# Altium PCB STM32F427IIH6.PcbDoc (part 1 of 3) (continued)
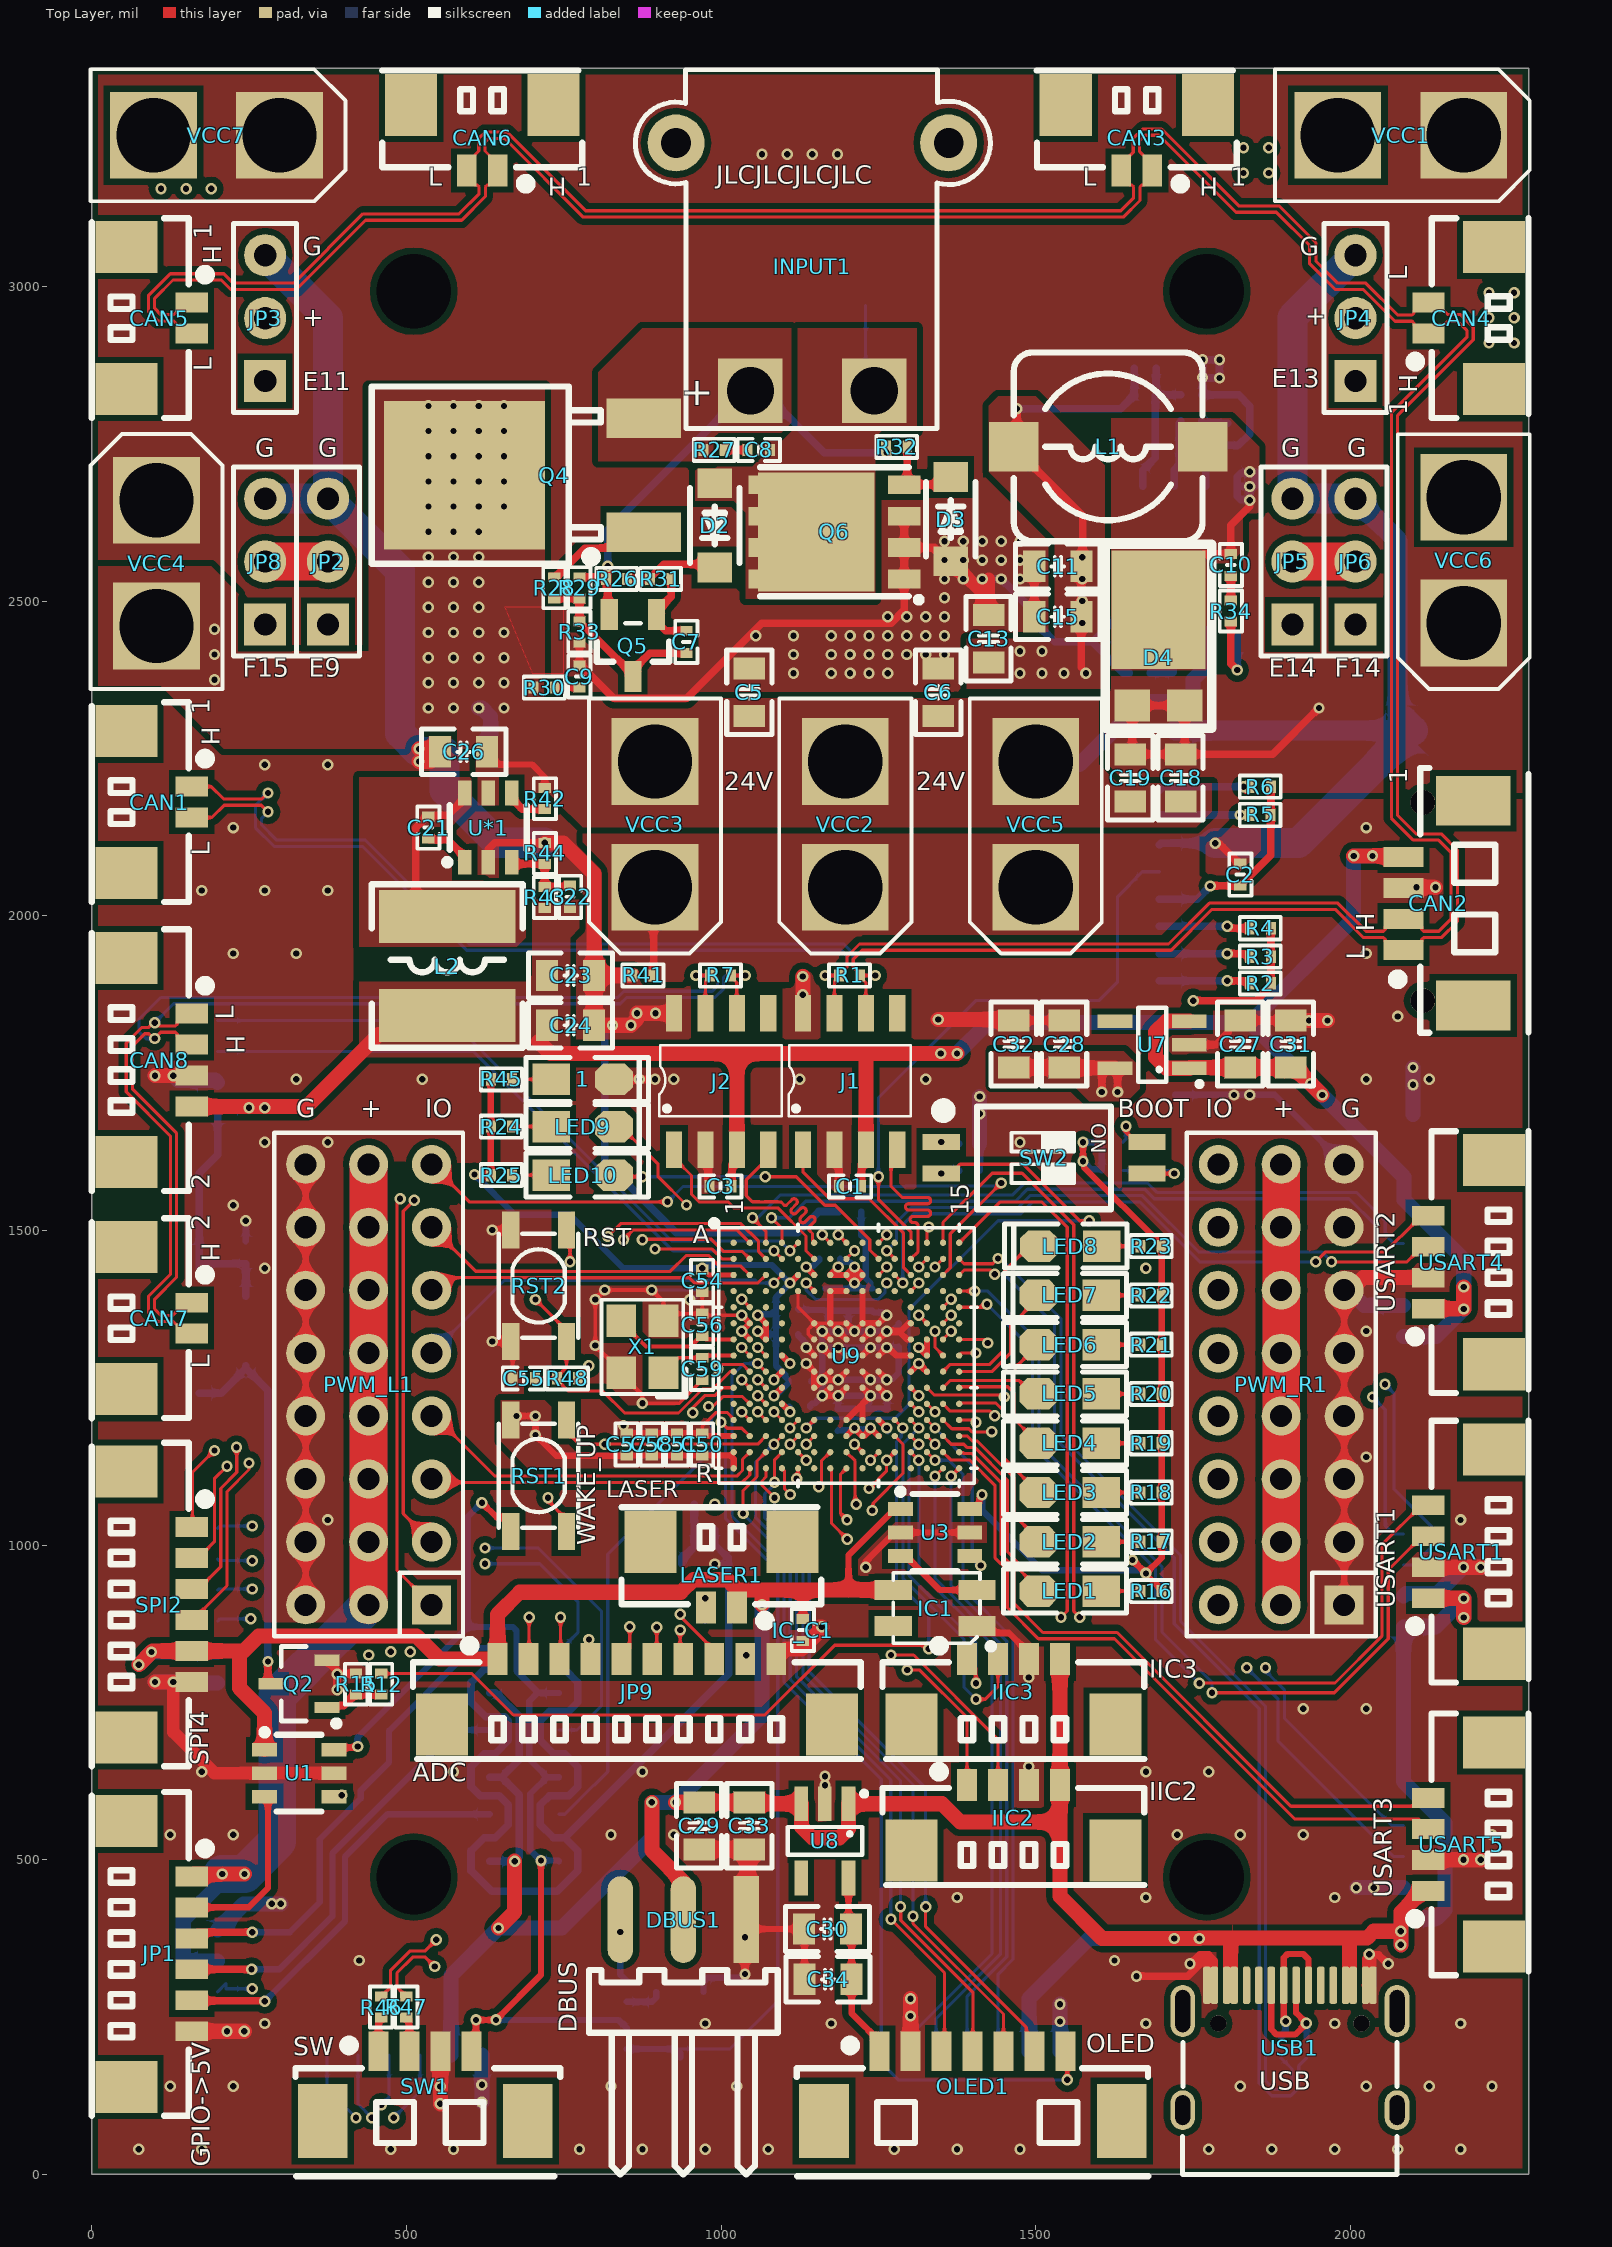
[diagram p0: Top Layer view]
## Footprints (in the part's own frame and the unit in brackets; to place one, negate y for a bottom-side part, rotate by r counter-clockwise, add the part's x,y. Pads: shape width x height; smd on the part's side, far side on the other; paste and mask are expansions set on the pad) (continued)
  silkscreen extent -6.48,-2.23 6.45,3.25, body extent -6.32,-2.1 6.32,3.09, height 3.4
"MX 1.25-WS-7P" [mm] "长：13.9mm，宽：4.2mm，高：3.4mm"
  rect 2x3 smd: 0(-6.007,0) 0(6.007,0)
  rect 0.8x1.6 smd: 1(-3.764,2.811) 2(-2.514,2.811) 3(-1.264,2.811) 4(-0.014,2.811) 5(1.236,2.811) 6(2.486,2.811) 7(3.736,2.811)
  silkscreen extent -7.11,-2.23 7.08,3.25, body extent -6.95,-2.1 6.95,3.09, height 3.4
"OSC 3225-4P" [mm] "3.2*2.5*0.7mm(长宽高)                         淘宝ID:黄晶宝石"
  rect 1.3x1.2 smd: 1(-1.05,-0.85) 2(1.05,-0.85) 3(1.05,0.85) 4(-1.05,0.85)
  silkscreen extent -2.03,-1.75 1.91,1.65, body extent -1.6,-1.25 1.6,1.25, height 0.7
PG-TDSON-8_L5.0-W6.0-P1.27-LS6.2-BL-EP [mil]
  rect 29.5x51.2 smd: 1(-75,-111) 2(-25,-111) 3(25,-111) 4(75,-111) 5(75,111) 6(25,111) 7(-25,111) 8(-75,111)
  rect 189x185 smd: 8(0,29)
  silkscreen extent -112,-138 102,118, body extent -105,-121 106,121, height 39
PG-TO252-3 [mil]
  rect 118.1x63 smd: 1(142.4,-90.53)
  rect 255.9x236.2 smd: 2(-142.4,0.03)
  rect 118.2x63 smd: 3(142.15,90.52)
  silkscreen extent -290,-141 74,141, body extent -241,-129 141,130, height 91
"PIN-3*8-2.54 - duplicate" [mil] "PIn Header"
  rect 62x62 hole 35: 1(0,0)
  round 62 hole 35: 2(0,100) 3(0,200) 4(100,0) 5(100,100) 6(100,200) 7(200,0) 8(200,100) 9(200,200) 10(300,0) 11(300,100) 12(300,200) 13(400,0) 14(400,100) 15(400,200) 16(500,0) 17(500,100) 18(500,200) 19(600,0) 20(600,100) 21(600,200) 22(700,0) 23(700,100) 24(700,200)
  silkscreen extent -50,-50 750,250, body extent -50,-50 750,250, height 335
"R 0402_L" [mm] "1/16W贴片电阻     淘宝ID:黄晶宝石"
  rect 0.4x0.5 smd: 1(-0.4,0) 2(0.45,0)
  silkscreen extent -0.8,-0.45 0.85,0.45, body extent -0.5,-0.25 0.5,0.25, height 0.3
SMA(DO-214AC) [mm]
  rect 2x1.8 smd: 1(-2,0) 2(2,0)
  silkscreen extent -2.3,-1.4 2.3,1.4, body extent -2.53,-1.27 2.56,1.33, height 2.15
SMD-3.2*4.2 [mm]
  rect 1.5x0.7 smd: 1(-2.25,1.125) 1(2.25,1.125) 2(-2.25,-1.125) 2(2.25,-1.125)
  silkscreen extent -2.1,-1.6 2.1,1.6, body extent -2.73,-1.6 2.47,1.58, height 1.8
SOD-123_L2.8-W1.8-LS3.7-RD [mm]
  rect 1.2x1.4 smd: 1(-1.7,0) 2(1.7,0)
  silkscreen extent -1.5,-1 1.5,1, body extent -1.92,-0.8 1.78,0.8, height 1.22
SOD-323 [mm] "1.8x1.3X0.9mm（长宽高，不包括引脚）"
  rect 1x0.8 smd: 1(-1.4,0)
  oct 1x0.8 smd: 2(1.4,0)
  silkscreen extent -2.11,-0.76 2.11,0.76, body extent -1.34,-0.63 1.31,0.67, height 1
SOIC-8_150mil [mm]
  rect 1.473x0.65 smd: 1(0,0) 2(0,-1.27) 3(0,-2.54) 4(0,-3.81) 5(5.5,-3.81) 6(5.5,-2.54) 7(5.5,-1.27) 8(5.5,0)
  silkscreen extent 1.35,-4.34 4.2,0.58, body extent -0.3,-4.34 5.7,0.56, height 1.7
SOT23-3L [mm] "3x1.3x1mm(长宽高)    封装库来自淘宝卖家 ID：黄晶宝石"
  rect 0.45x1 smd: 1(-0.95,-1.143) 2(0.95,-1.143) 3(0,1.125)
  silkscreen extent -1.72,-1.65 1.5,0.7, body extent -1.5,-1.2 1.5,1.2, height 1.05
SOT23-5M [mm] "3x1.6x1.1mm(长宽高) 封装库来自淘宝卖家 ID：黄晶宝石"
  rect 0.55x1.4 smd: 1(-0.95,-1.5) 2(0,-1.5) 3(0.95,-1.5) 4(0.95,1.5) 5(-0.95,1.5)
  silkscreen extent -1.66,-1.98 1.5,0.56, body extent -1.5,-1.4 1.5,1.4, height 1.15
SOT-23-3 [mil]
  rect 23.62x55 smd: 1(-38,-50) 2(37,-50) 3(0,54)
  silkscreen extent -59,0 59,33, body extent -57,-55 57,55, height 47
SOT-23-3_L2.9-W1.3-P1.90-LS2.4-BR [mm]
  rect 1.25x0.7 smd: 1(1.25,-0.95) 2(1.25,0.95) 3(-1.25,0)
  silkscreen extent -0.65,-1.46 0.9,1.46, body extent -0.97,-1.5 1.43,1.5, height 1.05
SOT-23-6_L2.9-W1.6-P0.95-LS2.8-BL [mm]
  rect 0.55x1 smd: 1(-0.95,-1.4) 2(0,-1.4) 3(0.95,-1.4) 4(0.95,1.4) 5(0,1.4) 6(-0.95,1.4)
  silkscreen extent -1.78,-1.52 1.55,0.9, body extent -1.46,-1.17 1.46,1.17, height 1
TO-277B_3P-L6.1-W4.3-LS7.0-BR [mil]
  rect 50.8x56 smd: 1(76.1,-41.6) 2(76.1,41.6)
  rect 188.98x149.61 smd: 3(-76.1,0)
  silkscreen extent -180,-85 112,85, body extent -169,-94 93,94, height 47
TPS54540 [mm]
  oval 1.8x0.6 smd: 1(0,0) 2(0,-1.27) 3(0,-2.54) 4(0,-3.81) 5(5.944,-3.81) 6(5.944,-2.54) 7(5.944,-1.27) 8(5.944,0)
  rect 3x4 smd: 9(2.972,-1.905)
  silkscreen extent 0.41,-4.29 4.8,0.94, body extent 0,-4.44 6.01,0.56, height 1.9
Type-C-TOP [mm]
  round 0.65 hole 0.65: 0(-0.98,2.89) 0(-0.98,-2.89)
  oval 1.6x1 hole 0.6 slot 1.2 at 0 deg: 1(2.52,4.325) 2(2.52,-4.325)
  oval 2.1x1 hole 0.6 slot 1.7 at 0 deg: 3(-1.48,-4.325) 4(-1.48,4.325)
  rrect50% 1.5x0.3 smd: A1(-2.52,-3.35) A4(-2.52,-2.55) A5(-2.52,-1.25) A6(-2.52,-0.25) A7(-2.52,0.25) A8(-2.52,1.25) A9(-2.52,2.55) A12(-2.52,3.35) B1(-2.52,3.05) B4(-2.52,2.25) B5(-2.52,1.75) B6(-2.52,0.75) B7(-2.52,-0.75) B8(-2.52,-1.75) B9(-2.52,-2.25) B12(-2.52,-3.05)
  silkscreen extent -0.22,-4.33 5.12,4.33, body extent -2.64,-4.48 5.26,4.46, height 3.28
XT30PW-M [mm]
  round 2.3 hole 1.2: 0(-5.5,-5) 0(5.5,-5)
  rect 2.6x2.6 hole 1.9: 1(-2.5,5) 2(2.5,5)
  silkscreen extent -7.18,-7.95 7.14,6.52, body extent -6.67,-7.95 6.63,6, height 5
XT30UPB-F [mm]
  rect 3.5x3.5 hole 3: 1(-2.54,0) 2(2.54,0)
  silkscreen extent -5.21,-2.67 5.08,2.67, body extent -5.04,-2.6 5.16,2.6, height 9.4

## Part data
1 LED1 LED2 LED3 LED4 LED5 LED6 LED7 LED8 LED9 LED10: library part LED-SMD, "贴片LED"
C1 C2 C3 C4 C5 C6 C7 C8 C9 C10 C11 C12 C13 C14 C15 C16 C17 C18 C19 C20 C21 C22 C23 C24 C25 C26 C27 C28 C29 C30 C31 C32 C33 C34 C35 C36 C37 C38 C39 C40 C41 C42 C43 C44 C45 C46 C47 C48 C49 C50 C51 C52 C53 C54 C55 C56 C57 C58 C59 IC_C1: library part C, "贴片电容"
CAN1 CAN3 CAN4 CAN5 CAN6 CAN7 LASER1: library part "Header 2", "2P接插件"
CAN2 CAN8 IIC1 IIC2 IIC3 USART1 USART2 USART3 USART4 USART5 USART6: library part "Header 4", "4P接插件"
D1: "开关二极管"
D2: library part BZD27C30P
D4: "TO-277B系列,SVM860VB-8A"
DBUS1 JP2 JP3 JP4 JP5 JP6 JP7 JP8: library part "Header 3", "3P接插件"
J1 J2: "CAN芯片"
JP1 SPI1 SPI2 SPI3 SPI4: library part "Header 6", "6P接插件"
JP9: library part "Header 10", "10P接插件"
L1: library part L-CDRH, "功率屏蔽电感"
L2: library part L-SMD, "CD系列贴片线绕功率电感"
LS1: "蜂鸣器"
OLED1: library part "Header 7", "7P接插件"
PWM_L1 PWM_R1: "Connector"
Q1 Q2: library part 8050-SMD, "高频放大-NPN型"
Q3: "NPN Bipolar Transistor"
Q4: library part IPD90P04P4
Q6: library part BSC037N08NS5ATMA1
R1 R2 R3 R4 R5 R6 R7 R8 R9 R10 R11 R12 R13 R14 R15 R16 R17 R18 R19 R20 R21 R22 R23 R24 R25 R26 R27 R28 R29 R30 R31 R32 R33 R34 R35 R36 R37 R38 R39 R40 R41 R42 R43 R44 R45 R46 R47 R48 R49 R50 R51 R52 R53 R54: library part R, "贴片电阻"
RST1: library part KEY_M
SW1: library part HDR1x4, "Connector"
SW2: "2路编码开关"
TF_Card1: "TF卡座"
U1 U2 U3 U4 U5: BOM_Manufacturer=TI, BOM_Assembly Type=smtWeld, BOM_Manufacturer Part=SN74LVC1T45DBVR, BOM_Paste Type=recommend, BOM_Supplier=LCSC, BOM_Supplier Part=C7843, image=//image.lceda.cn/szlcsc/C7843.jpg, spicePre=U, spiceSymbolName=SN74LVC1T45DBVR
U6: BOM_LCSC Assembly=Yes, BOM_Manufacturer=TI, BOM_Manufacturer Part=TPS54540DDAR, BOM_Supplier=LCSC, BOM_Supplier Part=C95286, SMT Type=Extend, spicePre=U
U9: library part STM32F427IIH6_MX, "No Description Available", Built_By=EMA_UL_Team, Copyright="Copyright (C) 2018 Accelerated Designs. All rights reserved", Manufacturer_Part_Number=STM32F427IIH6, RefDes=RefDes, SourceLibrary=Updates_to_database_2020-10-19, Type=DEV, Vendor=STMicroelectronics
U*1: "BUCK、MAX40V"
X1: library part XTAL-4P, "4脚无源晶振"

## Free pads (board coordinates)
  round 0 hole 118.11: ""(511.81,472.44) ""(511.81,2992.13) ""(1771.65,472.44) ""(1771.65,2992.13)

## Via types
v1: diameter 18, hole 10, Top Layer to Bottom Layer, tented both sides, 536 vias

## Nets (pads, with @x,y where several pads share a name; then routed paths per layer and width w, separated by ;. In a path a pad name is that pad's centre, name@x,y a point inside that pad or via, vN(x,y) a via of type N, cw(c..) or ccw(c..) an arc to the next point about the centre after c; other vN are vias at no path point)
ADC1_IN8/PB0: JP9.2 U9.R5 | length 656.9
  Top Layer w5: JP9.2@693.94,819 695,820.06 v1(695,885.31) ; v1(1120,1105.31) 1122.36,1107.68 U9.R5@1122.36,1122.05
  PWR w5: v1(695,885.31) 695,939.46 890.54,1135 1090.31,1135 v1(1120,1105.31)
ADC1_IN9/PB1: JP9.3 U9.R4 | length 651.7
  Top Layer w5: JP9.3@743.15,819 745,820.85 v1(745,885.31) ; U9.R4@1096.77,1122.05 1100.5,1118.32 1100.5,1089.81 v1(1110,1080.31)
  PWR w5: v1(745,885.31) 745,975.31 885.19,1115.5 1091.42,1115.5 1100.5,1106.42 1100.5,1089.81 v1(1110,1080.31)
ADC1_IN10/PC0: JP9.4 U9.M2 | length 514.4
  Top Layer w5: v1(790,850) 790,826.64 795,821.64 JP9.4@792.36,819 ; v1(1032.79,1211.61) U9.M2@1045.59,1198.82
  GND w5: v1(790,850) 875,935 875,1045.31 1032.79,1203.11 v1(1032.79,1211.61)
ADC1_IN11/PC1: JP9.5 U9.M3 | length 503.5
  Top Layer w5: JP9.5@841.57,819 840,820.57 855,835.57 v1(855,870.31) ; v1(1058.39,1211.61) U9.M3@1071.18,1198.82
  GND w5: v1(855,870.31) 885,900.31 885,1041.17 1055.44,1211.61 v1(1058.39,1211.61)
ADC1_IN12/PC2: JP9.6 U9.M4 | length 506.2
  Top Layer w5: JP9.6@890.79,819 885,824.79 897.74,837.53 v1(897.74,869.65) ; v1(1083.98,1211.61) U9.M4@1096.77,1198.82
  GND w5: v1(897.74,869.65) 895,872.39 895,1037.03 1053.99,1196.02 1068.38,1196.02 v1(1083.98,1211.61)
ADC1_IN13/PC3: JP9.7 U9.M5 | length 515.3
  Top Layer w5: v1(935,865) 935,826 934,825 JP9.7@940,819 ; v1(1109.57,1186.02) U9.M5@1122.36,1198.82
  GND w5: v1(935,865) 905,895 905,1032.89 1058.13,1186.02 v1(1109.57,1186.02)
ADC1_IN14/PC4: JP9.8 U9.N5 | length 518.3
  Top Layer w5: v1(935,890) 935,886.92 989.21,832.71 JP9.8@989.21,819 ; v1(1109.57,1160.43) U9.N5@1122.36,1173.23
  GND w5: v1(935,890) 915,910 915,1025 1065.93,1175.93 1090.4,1175.93 1105.9,1160.43 v1(1109.57,1160.43)
ADC1_IN15/PC5: JP9.9 U9.P5 | length 384.4
  Top Layer w5: JP9.9@1038.43,819 1032.43,825 v1(1040,825) ; U9.P5@1122.36,1147.64 v1(1135.16,1134.84)
  GND w5: v1(1040,825) 1040,970 1135.5,1065.5 1135.5,1135.18 v1(1135.16,1134.84)
ADC3_IN14/PF4: OLED1.7 U9.J3 | length 1610.6
  Top Layer w5: v1(1058.39,1288.39) U9.J3@1071.18,1275.59 ; OLED1.7@1547.09,195.65 1550,192.75 v1(1550,150.31)
  Bottom Layer w5: v1(1058.39,1288.39) 1036.46,1288.39 1017.29,1269.22 1017.29,1046.1 1100,963.39 1100,782.24 1254.5,627.74 1254.5,177.23 1281.41,150.31 v1(1550,150.31)
ADC3_IN15/PF5: JP7.1 U9.K3 | length 1468
  Top Layer w5: v1(1058.39,1262.8) U9.K3@1071.18,1250
  PWR w5: v1(255,295) 325,365 325,506.57 635,816.57 635,954.66 945.15,1264.81 1004.5,1264.81 1017.98,1278.3 1042.89,1278.3 v1(1058.39,1262.8)
  Bottom Layer w5: JP7.1@200,290.24 213.25,303.49 213.25,295 v1(255,295)
BOOT0: R49.2 SW2.1 U9.D6 | length 483.4
  Top Layer w5: v1(1135.16,1416.34) U9.D6@1147.95,1403.54
  PWR w5: v1@1265,1418.39 1369.07,1522.47 1369.07,1620.94 v1(1349.7,1640.32)
  Bottom Layer w5: v1(1135.16,1416.34) 1135.16,1405.16 1150,1390.31 1249.51,1390.31 1260.62,1401.43 1260.62,1413.85 v1(1263.11,1416.34)
  Bottom Layer w12: v1(1349.7,1640.32) 1351.32,1640.32 1353.79,1637.85 R49.2@1377.57,1637.85
BOOT1: R51.2 SW2.2 U9.M6 | length 1000.7
  Top Layer w5: v1(1135.16,1186.02) U9.M6@1147.95,1198.82 ; v1(1349.7,1590.32) 1365,1590.32 1379.69,1605 1480,1605 1569.69,1515.31 v1(1585,1515.31)
  Bottom Layer w5: v1(1135.16,1186.02) 1150.66,1201.52 1276.9,1201.52 1298.45,1223.08 1298.45,1373.76 1440,1515.31 v1(1585,1515.31)
  Bottom Layer w12: v1(1349.7,1590.32) 1351.32,1590.32 1356.01,1595 R51.2@1377.29,1595
CAN1_H: CAN1.1 CAN2.2 CAN3.1 CAN4.1 CAN5.1 CAN6.1 J1.7 R1.2 | length 6195
  Top Layer w5: CAN1.1@159,2205.15 189.85,2205.15 209.46,2185.54 236.61,2185.54 270.54,2185.54 v1(280,2195) ; CAN5.1@159,2974.06 149.16,2974.06 130.09,2955 110,2955 100,2965 100,2980.86 129.14,3010 205.86,3010 220.86,2995 325,2995 435,3105 587.83,3105 625.54,3142.71 625.54,3157.98 628.47,3160.91 631.9,3160.91 645.15,3174.16 CAN6.1@645.15,3184 645.15,3194.85 625,3215 625,3229.14 630.86,3235 655.86,3235 780.86,3110 1639.14,3110 1665.54,3136.4 1665.54,3157.98 1668.47,3160.91 1671.9,3160.91 1685.15,3174.16 1685.15,3193.84 1665,3213.99 1665,3230.86 1674.14,3240 1695.86,3240 1818.11,3117.74 1882.26,3117.74 1935.16,3064.84 1935.16,3035.69 1975.86,2995 2020.31,2995 2070.86,2944.46 2097.98,2944.46 2100.91,2941.53 2100.91,2938.1 2114.16,2924.85 CAN4.1@2124,2924.85 2134.85,2924.85 2155,2945 2170,2945 2185,2930 2185,2919.14 2065,2799.14 2065,2155 2100,2120 2140,2120 2160,2100 2160,1995 2140.24,1975.24 2116.27,1975.24 2113.34,1978.17 2113.34,1981.6 2100.09,1994.85 CAN2.2@2084.35,1994.85 2068.6,1994.85 2055.35,1981.6 2055.35,1978.17 2052.42,1975.24 2024.84,1975.24 1980.09,2020 1775.86,2020 1710.86,1955 1220,1955 1200,1935 1200,1917.64 R1.2@1187.37,1905 ; v1(1165,1905) R1.2@1187.37,1905 ; J1.7@1180,1845 1180,1895.67 1187.37,1903.03 R1.2@1187.37,1905 ; R1.2@1185,1907.37 R1.2@1187.37,1905
  Bottom Layer w5: v1(280,2195) 260,2175 260,2140 290,2110 430.86,2110 595.86,1945 1190.86,1945 1200,1935.86 1200,1920 1185,1905 v1(1165,1905)
CAN1_L: CAN1.2 CAN2.1 CAN3.2 CAN4.2 CAN5.2 CAN6.2 J1.6 R1.1 | length 6210.6
  Top Layer w5: CAN1.2@159,2155.94 190.94,2155.94 210.54,2175.54 240.76,2175.54 269.46,2175.54 v1(280,2165) ; CAN5.2@159,2924.85 150.15,2924.85 130,2945 105,2945 90,2960 90,2985 125,3020 210,3020 225,3005 320.86,3005 430.86,3115 583.69,3115 615.54,3146.85 615.54,3157.98 612.61,3160.91 609.19,3160.91 595.94,3174.16 CAN6.2@595.94,3184 595.94,3195.94 615,3215 615,3235 625,3245 660,3245 785,3120 1635,3120 1655.54,3140.54 1655.54,3157.98 1652.61,3160.91 1649.19,3160.91 1635.94,3174.16 CAN3.2@1635.94,3184 1635.94,3193.84 1655,3212.91 1655,3235 1670,3250 1700,3250 1822.26,3127.74 1886.4,3127.74 1945.16,3068.98 1945.16,3039.84 1980,3005 2024.46,3005 2075,2954.46 2097.98,2954.46 2100.91,2957.39 2100.91,2960.81 2114.16,2974.06 CAN4.2@2124,2974.06 2135.94,2974.06 2155,2955 2175,2955 2195,2935 2195,2915 2075,2795 2075,2159.14 2104.14,2130 2144.14,2130 2170,2104.14 2170,1990.86 2144.39,1965.24 2116.27,1965.24 2113.34,1962.32 2113.34,1958.89 2100.09,1945.64 CAN2.1@2084.35,1945.64 2068.6,1945.64 2055.35,1958.89 2055.35,1962.32 2052.42,1965.24 2020.7,1965.24 1975.95,2010 1780,2010 1715,1945 1224.14,1945 1210,1930.86 1210,1917.8 1220.83,1906.97 R1.1@1220.83,1905 ; J1.6@1230,1845 1230,1893.87 1220.83,1903.03 R1.1@1220.83,1905 ; v1(1245,1905) R1.1@1220.83,1905
  Bottom Layer w5: v1(280,2165) 270,2155 270,2144.14 294.14,2120 435,2120 600,1955 1195,1955 1210,1940 1210,1920 1225,1905 v1(1245,1905)
CAN1_RX/PD0: J1.4 U9.B12 | length 341.4
  Top Layer w5: J1.4@1280,1628.46 1270,1618.46 1270,1570 1287.68,1552.32 1328,1552.32 cw(c1328,1547.32) 1333,1547.32 cw(c1328,1547.32) 1328,1542.32 1298,1542.32 ccw(c1298,1537.32) 1293,1537.32 ccw(c1298,1537.32) 1298,1532.32 1328,1532.32 cw(c1328,1527.32) 1333,1527.32 cw(c1328,1527.32) 1328,1522.32 1305.31,1522.32 ccw(c1305.31,1517.32) 1300.31,1517.32 ccw(c1305.31,1517.32) 1305.31,1512.32 1308,1512.32 cw(c1308,1507.32) 1313,1507.32 1313,1466.22 U9.B12@1301.5,1454.72
CAN1_TX/PD1: J1.1 U9.C12 | length 306.8
  Top Layer w5: J1.1@1130,1628.46 1130,1593.06 1172.74,1550.31 1235,1550.31 1290,1495.32 1290,1440.63 U9.C12@1301.5,1429.13
CAN2_H: CAN7.1 CAN8.2 J2.7 R7.2 | length 1776.8
  Top Layer w5: CAN7.1@159,1385.15 149.16,1385.15 129.01,1365 110,1365 100,1375 100,1390.86 135,1425.86 135,1654.14 65,1724.14 65,1793.33 84.17,1812.5 90.57,1812.5 98.07,1805 v1(100,1805) 109.76,1814.76 122.52,1814.76 132.98,1814.76 135.91,1811.83 135.91,1808.4 149.16,1795.15 CAN8.2@159,1795.15 ; v1(960,1905) R7.2@982.37,1905 982.37,1903.03 975,1895.67 J2.7@975,1845
  Bottom Layer w5: v1(100,1805) 85.86,1805 75,1815.86 75,1835 110,1870 835.86,1870 845.86,1880 985.74,1880 994.1,1888.36 994.1,1902.07 991.17,1905 v1(960,1905)
CAN2_L: CAN7.2 CAN8.1 J2.6 R7.1 | length 1749.8
  Top Layer w5: CAN7.2@159,1335.94 149.06,1335.94 130,1355 105,1355 90,1370 90,1395 125,1430 125,1650 55,1720 55,1797.48 80.02,1822.5 90.57,1822.5 98.07,1830 v1(100,1830) 105.24,1824.76 132.98,1824.76 135.91,1827.68 135.91,1831.11 149.16,1844.36 CAN8.1@159,1844.36 ; J2.6@1025,1845 1025,1893.87 1015.83,1903.03 R7.1@1015.83,1905 v1(1038.19,1905)
  Bottom Layer w5: v1(100,1830) 130,1860 840,1860 850,1870 990,1870 1004.1,1884.1 1004.1,1892.5 1004.1,1902.07 1007.03,1905 v1(1038.19,1905)
CAN2_RX/PB5: J2.4 U9.A6 | length 329.1
  Top Layer w5: J2.4@1075,1628.46 1075,1615.31 1040,1580.31 1040,1555.31 1049.81,1545.5 1060.56,1545.5 1060.75,1545.31 1069.25,1545.31 1069.44,1545.5 1090.56,1545.5 1090.75,1545.31 1095,1545.31 1100,1540.31 ccw(c1101.99,1542.31) 1103.98,1540.31 1112.6,1548.93 cw(c1116.13,1545.4) 1119.67,1548.93 cw(c1116.13,1545.4) 1119.67,1541.86 1112.6,1534.79 ccw(c1116.13,1531.25) 1112.6,1527.72 ccw(c1116.13,1531.25) 1119.67,1527.72 1126.74,1534.79 cw(c1130.28,1531.25) 1133.81,1534.79 cw(c1130.28,1531.25) 1133.81,1527.72 1126.74,1520.65 ccw(c1130.28,1517.11) 1126.74,1513.58 ccw(c1130.28,1517.11) 1133.81,1513.58 1140.88,1520.65 cw(c1144.42,1517.11) 1147.95,1520.65 cw(c1144.42,1517.11) 1147.95,1513.58 1140.88,1506.5 ccw(c1144.42,1502.97) 1140.88,1499.43 1145.25,1495.07 1145.25,1483.02 U9.A6@1147.95,1480.31
CAN2_TX/PB6: J2.1 U9.B6 | length 334.3
  Top Layer w5: J2.1@925,1628.46 925,1615.32 953.06,1587.26 953.06,1557.26 965,1545.31 1011,1545.31 1021,1535.31 1043.39,1535.31 1043.58,1535.5 1056.42,1535.5 1056.61,1535.31 1073.39,1535.31 1073.58,1535.5 1086.42,1535.5 1086.61,1535.31 1090.86,1535.31 1135,1491.17 1135,1467.68 U9.B6@1147.95,1454.72
DIN_5V0_1: IC1.2 U3.3 | length 144
  Top Layer w10: U3.3@1284.88,982.6 1293.74,982.6 1347.79,928.54 IC1.2@1406.5,928.54
FB_2: C12.1 R35.1 R39.2 U6.5 | length 236.5
  Bottom Layer w12: U6.5@1670,2682 1670,2707.78 1690,2727.78 1690,2826.75 R35.1@1690.75,2827.5 ; C12.1@1691.74,2870 1691.24,2869.51 1691.24,2828 R35.1@1690.75,2827.5 ; R39.2@1730.23,2827.5 R35.1@1690.75,2827.5
GND_IN: C8.1 D2.2 INPUT1.1 Q6.5 Q6.6 Q6.7 Q6.8 TVS1.2 | length 145.9
  Bottom Layer w5: TVS1.2@1229.74,2969.31 1229.74,2842.75 INPUT1.1@1243.43,2829.06
I2C1_SCL/PB8: IIC1.4 U9.A5 | length 1079.2
  Top Layer w5: v1(1109.57,1467.52) U9.A5@1122.36,1480.31
  Bottom Layer w5: IIC1.4@200,1833.28 571.72,1833.28 921.98,1483.02 1094.06,1483.02 v1(1109.57,1467.52)
I2C1_SDA/PB9: IIC1.3 U9.B4 | length 1033.2
  Top Layer w5: v1(1083.98,1467.52) U9.B4@1096.77,1454.72
  Bottom Layer w5: IIC1.3@200,1784.06 606.79,1784.06 923.34,1467.52 v1(1083.98,1467.52)
I2C2_SCL/PH4: IIC2.1 U9.H4 | length 815.4
  Top Layer w5: v1(1295.98,801.4) 1315.66,801.4 1390.64,726.43 IIC2.1@1390.64,619
  Top Layer w10: U9.H4@1096.77,1301.18 v1(1109.57,1288.39)
  PWR w5: v1(1109.57,1288.39) 1109.57,1264.89 1180.5,1193.96 1180.5,937.89 1295.98,822.42 v1(1295.98,801.4)
I2C2_SDA/PH5: IIC2.2 U9.J4 | length 830.3
  Top Layer w5: v1(1270,825.31) 1305.89,825.31 1439.85,691.36 IIC2.2@1439.85,619
  Top Layer w10: v1(1083.98,1262.79) U9.J4@1096.77,1275.59
  PWR w5: v1(1083.98,1262.79) 1170.5,1176.27 1170.5,924.81 v1(1270,825.31)